# KiCad board 5wy19_converted.kicad_pcb (continued)
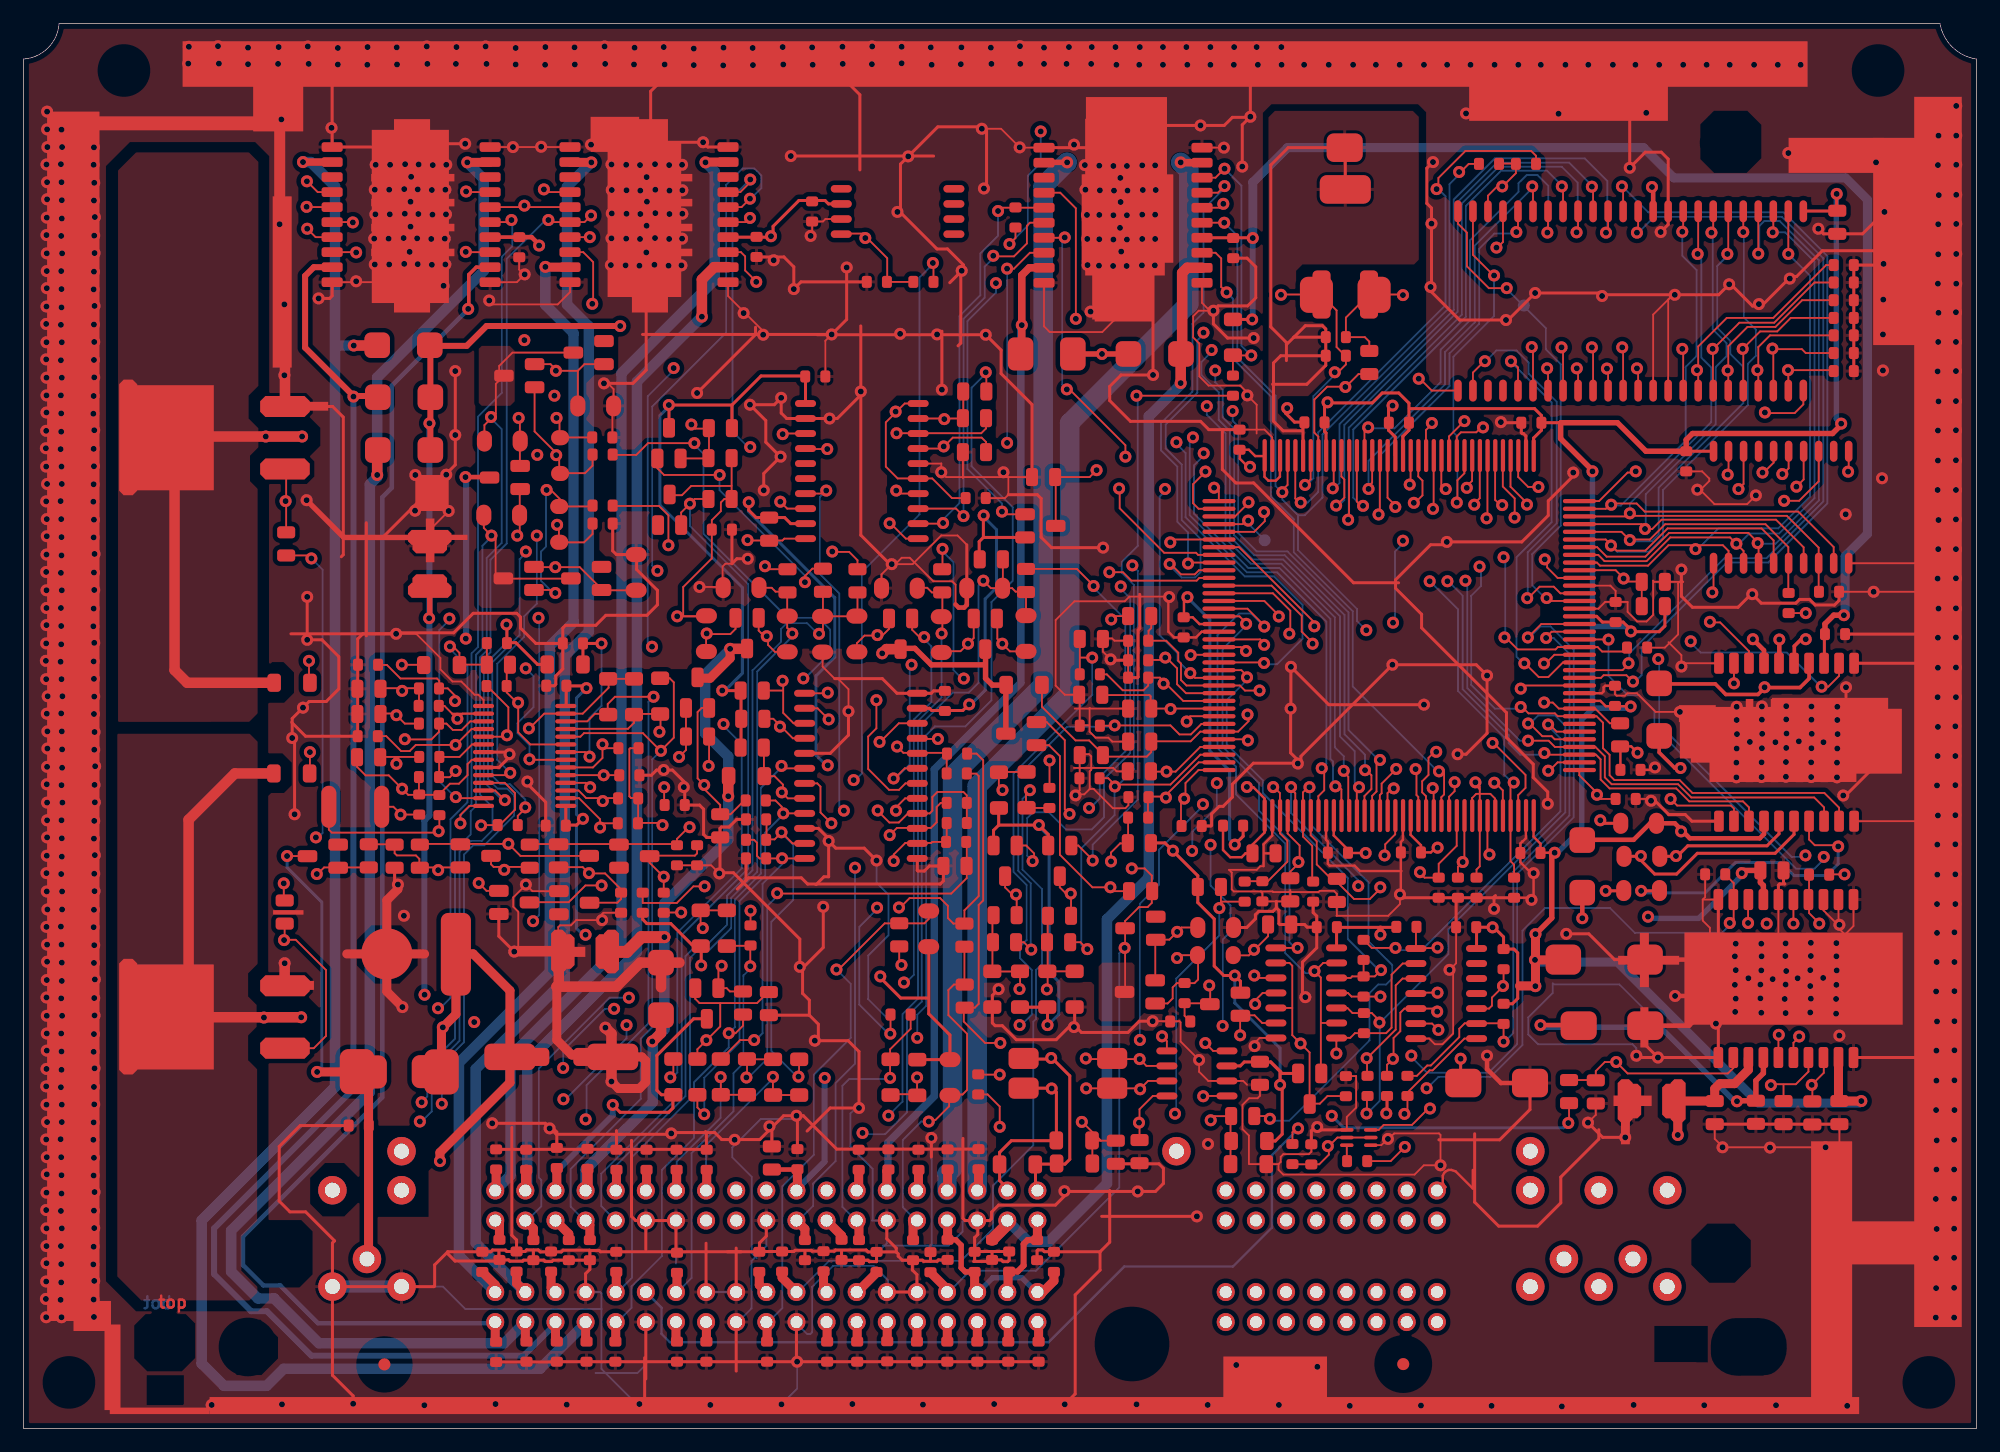
[diagram p0: board, top side]
## Routing (per net, layer and track width the routed paths; a pad name or vN(x,y) marks a point on that pad's centre or on a via; arc(x,y) is an arc through that point) (continued)
NewNet227: length 7.8
  TopLayer w0.152: v1(38.68,51) 38.71,51.03 40.25,51.03 41.55,52.33 41.55,53.73 40.68,54.6 U11.25
NewNet240: length 3.5
  TopLayer w0.152: R83.1 31.92,51.92 31.26,52.58 30.28,52.58 D9.2
  vias: v1(31.88,51.91)
NewNet253: length 97.6
  TopLayer w0.152: Q12.1 75.13,67.55 75.76,66.93 v1(76.15,66.93)
  TopLayer w0.254: 135.36,45.47 v1(133.78,45.47)
  MidLayer2 w0.254: 74.27,37.64 75.11,37.64 76.3,38.84 96.24,38.84 96.42,38.66 98.78,38.66 103.1,42.98 118.29,42.98 121.16,45.85 133.4,45.85 v1(133.78,45.47)
  BottomLayer w0.152: v1(74.44,37.71) 74.62,37.71 75.28,38.37 75.28,59.96 76.76,61.44 76.76,66.15 76.15,66.76 v1(76.15,66.93)
NewNet255: length 22.4
  TopLayer w0.152: v1(103.81,90.75) 102.13,90.75 ; v1(101.55,106.55) 100.79,105.79 99.64,105.79 ; R7.1 C10.1
  BottomLayer w0.152: v1(103.81,90.75) 103.8,90.75 102.97,91.58 102.97,105.13 v1(101.55,106.55)
NewNet265: length 4.6
  TopLayer w0.152: Q11.1 82.34,68.46 82.34,66.79 83.4,65.73 R45.1
  vias: v1(82.75,66.37)
NewNet266: length 4.9
  TopLayer w0.152: Q11.2 80.34,66.85 79.22,65.74 77.7,65.74 R50.2
  vias: v1(79.86,66.37)
NewNet267: length 4.8
  TopLayer w0.152: R47.2 70.46,66.41 71.11,67.06 72.61,67.06 73.18,67.63 Q12.2
  vias: v1(72.2,67.1)
NewNet268: length 4.6
  TopLayer w0.152: R48.2 63.53,65.68 62.95,66.27 62.95,66.9 62.6,67.25 62.39,67.25 62.15,67.48 Q10.1
  vias: v1(62.84,67.01)
NewNet269: length 5.1
  TopLayer w0.152: 57.81,67.19 59.76,67.19 60.2,67.62 Q10.2 ; 57.81,67.19 57.71,67.09 57.71,65.74 R46.2 ; 57.81,67.19 v1(57.76,67.23)
NewNet270: length 4.4
  TopLayer w0.152: Q13.1 56.01,57.38 v1(55.42,56.79)
NewNet271: length 13.2
  TopLayer w0.152: C45.1 60.94,53.11 59.77,51.94 C47.2 58.9,52.73 57.54,54.09 57.54,54.43 56.99,54.98 56.99,60.59 57.33,60.93 Q13.2
  vias: v1(57.55,54.42)
NewNet273: length 20.7
  TopLayer w0.152: v1(58.85,80.65) 54.16,80.65 53.59,81.21 Q4.1 ; R32.1 66.69,72.72 66.07,72.09 v1(66.07,71.58)
  BottomLayer w0.152: v1(58.85,80.65) 58.85,79.36 66.07,72.14 v1(66.07,71.58)
NewNet297: length 3.7
  TopLayer w0.152: R74.2 30.18,56.79 R75.1
  TopLayer w0.508: 31.52,56.62 v1(31.52,56.21)
NewNet298: length 4.8
  TopLayer w0.152: C29.2 30.22,62.6 33.41,62.6 33.43,62.58 33.43,61.14 R66.1
  vias: v1(32,62.38)
NewNet300: length 9.7
  TopLayer w0.152: v1(54.03,51.03) 53.84,51.22 52.05,51.22 51.96,51.3 51.96,53.12 51.76,53.32 51.36,53.32 51.22,53.46 51.22,57.46 51.29,57.53 C37.2
O2 S1: length 71.3
  TopLayer w0.152: C41.2 91.72,54.99 92.25,54.46 96.98,54.46 99.5,56.99 101.07,56.99 ; R119.2 89.36,41.12 v1(89.95,40.54) ; C10.2 v1(94.11,87.35)
  BottomLayer w0.152: v1(89.95,40.54) 89.81,40.54 89.44,40.91 89.44,49.06 92.25,51.87 92.25,54.27 ; v1(92.27,54.3) 92.25,54.27 ; 92.25,54.27 92.41,54.27 93.88,55.75 93.88,71.35 92.86,72.37 92.86,73.29 94.21,74.65 94.21,87.25 v1(94.11,87.35)
O2 S1 Diag: length 87.9
  TopLayer w0.152: Q15.1 89.18,49.3 90.4,48.09 v1(90.4,48.03) ; IC3.19 144.17,80.75 v1(144.09,80.67)
  MidLayer2 w0.254: v1(144.09,80.67) 143.76,80.34 143.76,79.43 137.9,73.56 134.26,73.56 133.15,72.44 125.02,72.44 122.58,70 118.01,70 117.12,70.89 108.33,70.89 107.7,71.53 100.66,71.53 100.15,72.03 94.49,72.03 93.57,72.95 93.57,73
  BottomLayer w0.152: v1(90.4,48.03) 90.4,49.37 94.22,53.19 94.22,72.53 v1(93.76,73)
O2 S2: length 37.4
  TopLayer w0.152: v1(85.2,40.49) 84.58,41.12 R120.2 ; C34.2 92.1,59.44 92.13,59.46 96.98,59.46 97.74,58.7 98.7,58.7 99.59,59.59 101.07,59.59
  BottomLayer w0.152: v1(92.26,59.46) 92.14,59.34 88.23,59.34 84.1,55.22 84.1,47.16 85.16,46.1 85.16,40.54 v1(85.2,40.49)
O2 S2 Diag: length 95.7
  TopLayer w0.152: IC3.18 145.44,79.88 v1(145.01,79.45) ; v1(85.32,47.98) 85.45,48.11 85.45,48.63 84.78,49.3 Q16.1
  MidLayer2 w0.254: v1(145.01,79.45) 144.7,79.45 138.23,72.97 134.54,72.97 133.45,71.88 125.3,71.88 122.83,69.42 117.73,69.42 116.81,70.33 108.03,70.33 107.42,70.94 100.3,70.94 99.8,71.45 92.84,71.45 92.61,71.22
  BottomLayer w0.152: v1(92.77,71.22) 92.77,71.02 93.57,70.22 93.57,57.12 91.35,54.91 91.35,51.69 90.33,50.67 88.14,50.67 86.69,52.12 85.36,52.12 84.86,51.61 84.86,48.44 v1(85.32,47.98)
OIL TEMP: length 19.3
  TopLayer w0.152: 101.07,57.64 99.49,57.64 97.41,55.55 95.35,55.55 C38.2 ; v1(86.75,56.5) 86.75,54.19
  MidLayer2 w0.254: 86.56,56.49 90.14,56.49 90.65,55.98 96.09,55.98 96.52,55.55
  vias: v1(96.65,55.55)
Oil Temp Sens Signal: length 64.3
  TopLayer w0.152: v1(85.09,53.98) 84.76,53.65 84.76,52.75 85.03,52.48 R82.1
  TopLayer w0.762: J1.b11 64.14,12.75 C116.2
  BottomLayer w0.152: J1.b11 65.48,11.53 68.11,14.16 79.26,14.16 81.98,16.88 81.98,20.55 85.37,23.94 85.37,34.4 85.61,34.63 85.61,38.78 86.11,39.29 86.11,45.62 84.46,47.27 84.46,53.25 85.09,53.87 v1(85.09,53.98)
OR OUT1: length 27.8
  TopLayer w0.152: v1(119.53,35.26) 119.28,35.51 116.76,35.51 116.41,35.16 116.41,33.59 115.84,33.02 115.84,31.31 115.29,30.76 R145.2 ; U2.3 104.27,38.1 v1(104.06,38.3)
  MidLayer2 w0.254: 103.96,38.25 103.96,38.23 106.76,35.43 119.23,35.43 119.43,35.23
  vias: v1(115.79,31.26)
OR OUT4: length 10.5
  TopLayer w0.152: v1(114.73,36.53) 112.29,36.53 111.98,36.83 U2.11 ; v1(119.56,36.86) 117.81,36.86
  MidLayer2 w0.254: 119.46,36.75 119.18,36.47 114.63,36.47
OR TOGGLE: length 54.5
  TopLayer w0.152: 101.07,69.34 103.49,69.34 104.83,68 104.83,67.82 ; U2.13 109.89,39.37 109.2,38.67 v1(109.15,38.67) 109.69,38.13 109.69,30.06 Q28.1 ; U2.9 109.72,34.29
  BottomLayer w0.152: v1(104.91,67.82) 103.81,68.92 102.77,68.92 100.95,67.1 100.95,57.54 102.52,55.98 102.52,53.63 106.68,49.47 106.68,40.21 108.38,38.51 108.99,38.51 v1(109.15,38.67)
P2.13: length 75
  TopLayer w0.152: 117.98,47.07 118.47,46.58 C66.1 119.66,47.75 121.18,49.27 121.18,51.83 ; R80.1 79.77,55.38 80.56,55.38 80.76,55.18 80.76,45.02 79.55,43.82 R116.1 78.62,42.7 78.16,43.16 78.16,44.2 77.5,44.86 74.92,44.86 74.12,44.06 v1(74.02,44.06)
  MidLayer2 w0.254: 73.91,44.04 74.47,43.48 93.57,43.48 94.89,44.81 98.35,44.81 99.85,46.3 111.56,46.3 112.32,47.07 117.98,47.07
  vias: v1(118.08,47.05)
P3.4: length 67.3
  TopLayer w0.152: IC9.22 74.01,59.64 72.43,58.06 v1(72.38,58.06) ; 124.1,57.96 124.31,57.96 127,55.27 127,54.18 126.38,53.56 126.38,51.83
  MidLayer2 w0.254: 124.1,57.96 124.1,57.99 123.14,58.95 107.11,58.95 104.7,56.54 102.51,56.54 101.88,57.18 91.16,57.18 89.64,58.7 86.33,58.7 84.81,57.18 76.56,57.18 74.98,58.75 72.87,58.75 72.19,58.06
  vias: v1(124.21,57.98)
P3.7: length 60.8
  TopLayer w0.152: 131.55,56.34 129.72,56.34 129.03,55.65 128.85,55.65 ; v1(77.31,58.32) 75.62,58.32 IC9.21
  MidLayer2 w0.254: 77.14,58.32 77.65,57.81 84.51,57.81 85.98,59.28 89.92,59.28 91.41,57.79 102.11,57.79 102.74,57.15 104.37,57.15 106.76,59.54 124.05,59.54 126.52,57.07 126.8,57.07 128.22,55.65 128.85,55.65
  vias: v1(128.92,55.63)
P5.12: length 104.9
  TopLayer w0.152: R142.2 61.19,31.22 61.17,31.2 61.17,29.78 61.11,29.72 ; v1(63.72,45.27) 63.75,45.24 78.44,45.24 79.75,46.55 79.75,49.56 R92.1 ; 107.04,54.23 107.53,53.73 107.53,51.83
  MidLayer2 w0.254: 112.78,45.85 112.62,45.69 100.1,45.69 98.6,44.2 95.17,44.2 93.9,42.93 65.91,42.93 63.58,45.26
  BottomLayer w0.152: v1(61.12,29.68) 61.3,29.68 62.87,31.26 62.87,44.18 63.72,45.02 v1(63.72,45.27) ; v1(107.18,54.24) 107.18,52.05 112.86,46.37 v1(112.86,45.87)
PCSV PWM: length 94.9
  TopLayer w0.889: IC6.12 98.4,98.17 97.97,97.74 97.97,90.78 97.84,90.65 v1(97.84,88.42)
  TopLayer w1.016: J1.a26 83.18,17.24 C103.1
  BottomLayer w0.889: v1(97.84,88.42) 97.84,88.3 95.14,85.6 95.14,46.61 91.61,43.08 91.61,20.7 86.7,15.79 84.96,15.79 J1.a26
PSU ENABLE: length 57.7
  TopLayer w0.152: 133.99,66.73 133.98,66.74 131.55,66.74 ; R149.1 151.26,29.11 152.22,30.07 152.22,31.34 IC7.8
  MidLayer2 w0.254: v1(152.22,48.34) 152.22,46.81 154.61,44.42 154.61,32.54 151.21,29.13 151.21,28.98
  BottomLayer w0.152: v1(134.01,66.72) 134.01,63.65 135.66,62.01 136.62,62.01 137.9,60.73 137.9,59.32 149.88,47.34 151.43,47.34 152.22,48.13 v1(152.22,48.34)
  vias: v1(151.2,29.05)
PSU WDOG: length 75
  TopLayer w0.152: 101.07,71.29 105.52,71.29 108.08,68.73 108.08,67.39 108.92,66.55 108.92,66.37 ; 145.82,44.73 v1(145.82,42.75)
  MidLayer2 w0.254: v1(150.67,48.46) 150.67,48.44 145.82,43.59 v1(145.82,42.75) ; v1(138.23,65.07) 138.18,65.07 137.19,66.07 135.28,66.07 134.77,65.56 130.94,65.56 128.98,63.6 125.91,63.6 123.67,65.84 109.45,65.84 108.92,66.37
  BottomLayer w0.152: v1(150.67,48.46) 150.55,48.34 149.51,48.34 138.3,59.54 138.3,65 v1(138.23,65.07)
  vias: v1(109,66.37)
PWR INPUT: length 191.1
  TopLayer w0.762: D13.1 35.33,33.81 36.55,35.03 36.55,39.78 36.91,40.14 38.01,40.14 41.12,37.03 41.12,29.25 35.2,23.33 v1(35.2,22.61) ; 139.88,27.69 v1(139.88,24.82) ; 139.52,27.69 C85.1 143,28.73 143.43,29.16 144.68,29.16 145.85,30.33 IC7.3
  MidLayer2 w0.762: v1(139.88,24.82) 139.88,24.71 147.09,17.5 147.09,13.94 136.35,3.2 65.4,3.2 63.12,5.49 38.76,5.49 35.2,9.04 v1(35.2,22.61)
  vias: v1(35.45,33.92)
RESET IN: length 173.1
  TopLayer w0.152: 107.53,82.29 107.53,78.65 107.87,78.31 ; v1(119.48,104.83) 119.63,104.98 119.63,105.77 121.92,108.05 127.48,108.05 127.89,107.65 R1.2 ; IC7.6 149.66,32.61 150.09,33.05 150.14,33.05
  MidLayer2 w0.254: 150.14,33.05 150.14,28.58 152.4,26.31 155.73,26.31 156.46,27.05 156.46,68.1 155.32,69.24 155.32,100.63 152.25,103.71 120.6,103.71 v1(119.48,104.83)
  BottomLayer w0.152: v1(119.48,104.83) 119.63,104.83 120.24,104.22 120.24,95.01 109.47,84.24 109.47,79.2 108.57,78.31 v1(107.99,78.31)
  vias: v1(150.14,33.15)
RESET OUT: length 272.5
  TopLayer w0.152: v1(82.73,77.55) 82.96,77.32 Q7.1 ; IC8.15 41.07,102.03 v1(41.25,102.21) ; IC4.18 145.9,65.74 143.46,68.17 142.65,68.17 v1(142.6,68.22) ; v1(121.39,106.27) 121.51,106.27 122.2,106.96 R2.1 ; 106.27,79.2 106.88,79.81 106.88,82.29 ; v1(36.93,51.17) 36.93,51.89 37.69,52.65 U11.28 ; IC10.15 61.06,102.03 v1(61.42,102.39) ; v1(101.52,101.98) IC6.15
  MidLayer2 w0.254: v1(142.6,68.22) 142.54,68.22 141.78,68.99 131.6,68.99 130.58,67.97 124.71,67.97 123.8,67.06 113.79,67.06 113.54,67.31 v1(113.54,67.51) ; v1(101.52,101.98) 101.52,99.59 98.27,96.34 69.27,96.34 63.22,102.39 61.24,102.39 61.24,101.57 56.67,97 48.23,97 44.07,101.17 42.32,101.17 41.28,102.21 v1(41.25,102.21)
  MidLayer2 w0.508: 82.12,96.8 82.12,96.49
  BottomLayer w0.152: v1(41.25,102.21) 41.32,102.14 41.32,99.98 40.44,99.11 40.44,87.59 38.43,85.58 38.43,66.11 37.88,65.56 37.88,52.78 36.93,51.84 v1(36.93,51.17) ; v1(113.54,67.51) 112.75,68.3 112.75,69.3 107.77,74.29 107.77,77.24 ; v1(82.22,96.87) 82.22,96.07 79.81,93.65 79.81,81.16 82.73,78.24 v1(82.73,77.55) ; v1(121.39,106.27) 121.39,106.06 120.57,105.24 120.57,94.81 109.83,84.07 109.83,78.73 108.34,77.24 107.77,77.24 ; 107.77,77.24 106.43,78.57 106.43,79.13 105.86,79.71 105.86,87.35 102.64,90.58 102.64,100.87 v1(101.52,101.98)
  vias: v1(106.43,79.19)
RxD: length 44.9
  TopLayer w0.152: 131.55,58.94 129.63,58.94 129.03,59.54 128.83,59.54 ; v1(119.63,33.71) 119.1,34.24 U1.6 ; v1(116,40.64) 114,40.64 R121.2
  MidLayer2 w0.254: 119.46,33.68 120.55,34.77 120.55,37.24 117.22,40.56 115.82,40.56
  BottomLayer w0.152: v1(116,40.64) 116.19,40.45 118.21,40.45 129.95,52.18 129.95,58.37 128.91,59.41 v1(128.91,59.53)
RxD Out 1: length 78.5
  TopLayer w0.152: v1(107.73,40.64) 105.9,40.64 U2.1 ; v1(73.56,54.97) 73.65,54.97 74.5,55.83 IC9.19 ; 103.28,68.15 103.28,68.22 102.82,68.69 101.07,68.69
  MidLayer2 w0.254: 103.28,68.15 102.64,67.51 93.52,67.51 92.79,66.78 91.19,66.78 90.3,67.67 79.5,67.67 76.43,64.59 74.96,64.59
  BottomLayer w0.152: v1(103.38,68.05) 103.38,67.92 101.39,65.93 101.39,57.66 104.47,54.58 104.47,52.24 107.04,49.67 107.04,41.12 107.51,40.64 v1(107.73,40.64) ; v1(75.08,64.59) 74.93,64.44 74.93,56.17 73.73,54.97 v1(73.56,54.97)
RxD Out 2: length 83.7
  TopLayer w0.152: v1(72.11,61.6) 72.11,59.21 71.41,58.52 71.41,55.78 73.18,54.01 74.02,54.01 74.57,54.56 IC9.18 ; U2.12 112.21,38.1 112.34,38.23 114.25,38.23 v1(114.78,38.76) ; R121.1 R127.2 ; 101.07,64.14 102.97,64.14 103.33,63.78 103.33,63.53
  MidLayer2 w0.254: 71.91,61.62 72.36,61.16 78.44,61.16 79.43,60.17 83.29,60.17 84.81,61.7 95.38,61.7 95.58,61.9 99.11,61.9 100.74,63.53 103.33,63.53
  BottomLayer w0.152: v1(114.78,38.76) 114.6,38.76 111.98,41.38 111.98,46.55 104.79,53.74 104.79,54.81 101.74,57.86 101.74,61.6 103.45,63.31 v1(103.45,63.52)
SCLK: length 275.8
  TopLayer w0.152: U11.26 39.87,53.95 v1(40.69,53.14) ; 126.49,61.04 126.7,61.04 127.25,60.48 129.49,60.48 129.73,60.24 133.01,60.24 133.55,59.69 133.55,57.53 134.11,56.97 134.11,55.25 134.52,54.84 140.03,54.84 141.12,53.75 152.27,53.75 153.52,52.5 IC4.9 ; IC6.6 85.09,101.98 84.84,101.73 84.84,100.23 83.74,99.14 82.04,99.14 v1(81.99,99.19) ; v1(27.84,102.01) 27.81,102.03 IC8.6 ; v1(79.48,77.17) 78.84,77.8 IC5.13 ; v1(47.98,102.59) 47.42,102.03 IC10.6 44.55,102.03 v1(44.37,102.21)
  MidLayer2 w0.254: 44.3,102.26 44.3,102.29 44.98,102.97 44.98,109.02 44.12,109.88 29.44,109.88 26.72,107.16 26.72,103.12 v1(27.84,102.01) ; v1(123.11,72.9) 122.07,73.94 109.52,73.94 108.94,74.52 102.21,74.52 98.35,78.38 83.72,78.38 83.44,78.66 80.77,78.66 79.25,77.14 ; 81.92,99.19 81.92,100.58 83.69,102.36 83.69,104.75 78.56,109.88 47.04,109.88 46.23,109.07 46.23,104.22 47.83,102.62
  BottomLayer w0.152: v1(81.99,99.19) 81.99,98.99 81.27,98.27 81.27,95.64 79.48,93.86 79.48,77.17 v1(79.48,77.17) ; v1(126.6,61.02) 126.46,60.88 124.42,60.88 122.4,62.89 122.4,70.42 123.24,71.26 123.24,72.77 v1(123.11,72.9) ; v1(44.37,102.21) 44.13,102.21 40.85,98.93 40.85,74.85 39.47,73.47 39.47,65.64 38.91,65.08 38.91,54.7 40.47,53.14 v1(40.69,53.14)
Sens AUX PWR: length 88.8
  TopLayer w0.254: v1(121.51,31.27) 121.51,29.44 C78.1
  TopLayer w0.457: v1(145.29,46.96) 145.52,47.19 C61.1 146.86,46.18 147.12,45.92 IC7.17
  TopLayer w0.508: 83.34,13.26 84.05,13.26 84.56,13.77 84.56,15.59 84.89,15.93 C107.1
  TopLayer w0.762: 83.18,11.53 83.25,11.6 83.25,13.17 83.34,13.26 ; J1.a25 85.73,15.95
  MidLayer2 w0.381: v1(137.36,43.28) 137.36,43.13 129.67,35.43 125.68,35.43 v1(121.51,31.27) 121.39,31.14 121.39,28.14 117.83,24.59 117.83,23.24 117.25,22.66 99.9,22.66 94.84,17.6 85.8,17.6
  BottomLayer w0.457: v1(145.29,46.96) 145.29,46.78 141.65,43.14 137.5,43.14 v1(137.36,43.28)
Sens AUX PWR 2: length 97.4
  TopLayer w0.381: 131.37,34.11 v1(128.27,34.11)
  TopLayer w0.457: IC7.4 147.12,30.05 146.48,29.41 C82.1 144.98,27.71 144.88,27.61 ; C120.2 79.63,13.23 79.28,13.58 79.28,15.5 78.82,15.95 78.13,15.95
  TopLayer w0.762: J1.b5 80.42,11.75 C120.2 ; 78.13,17.53 78.13,15.95 ; 85.73,11.53 86.18,11.53 87.12,12.47 87.12,13.23
  MidLayer2 w0.381: 85.75,11.51 85.75,11.66 90.88,16.79 95.28,16.79 100.28,21.79 117.6,21.79 118.64,22.83 118.64,24.13 128.27,33.76 v1(128.27,34.11)
  BottomLayer w0.457: v1(128.27,34.11) 128.45,33.93 138.41,33.93 144.67,27.67 v1(144.88,27.67) ; J1.b5 80.74,11.53 81.96,12.75 84.41,12.75 85.62,11.53 85.73,11.53
TPS: length 11.2
  TopLayer w0.152: 105.56,54.23 105.74,54.23 106.23,53.74 106.23,50.33 106.86,49.71 106.86,47.93 105.21,46.28 103.28,46.28 R100.1
  vias: v1(105.66,54.24)
TPS PWM DRV: length 73.1
  TopLayer w0.152: 98.6,65.41 98.63,65.44 101.07,65.44 ; v1(56.72,83.34) 52.8,83.34 51.8,82.34 49.84,82.34 R21.2
  MidLayer2 w0.254: 98.6,65.41 98.55,65.41 97.64,66.32 95.89,66.32 93.09,63.53 81.08,63.53 80.01,64.59 78.89,64.59 77.24,62.94 73.96,62.94 72.92,63.98 66.32,63.98 65.79,63.45
  BottomLayer w0.152: v1(56.72,83.34) 56.72,83.19 57.5,82.42 57.5,75.66 64.6,68.56 67.2,68.56 68.2,67.57 68.2,65.58 66.06,63.44 v1(65.93,63.44)
  vias: v1(98.69,65.41)
TPS PWM Out: length 121.9
  TopLayer w0.152: R18.1 38.96,84.86 39.93,85.83 39.93,88.35 Q2.3 40.21,89.45 40.21,89.87 41.34,91 Q1.3
  TopLayer w0.762: J1.b33 57.73,8.96 C136.1
  MidLayer2 w0.254: J1.b33 57.56,8.99 55.04,6.48 39.19,6.48 36.6,9.07 36.6,23.72 34.37,25.96 v1(33.5,25.96)
  BottomLayer w0.152: v1(39.52,85.55) 39.52,85.42 40.43,84.52 40.43,74.89 39.16,73.62 39.16,65.78 38.6,65.22 38.6,53.61 39.65,52.55 39.65,50.61 38.73,49.69 37.79,49.69 36.86,48.76 36.86,32.79 34.51,30.44 34.51,26.81 33.66,25.96 v1(33.5,25.96)
TPS Signal: length 67.1
  TopLayer w0.152: R101.2 101.24,44.14 v1(101.11,44.01) 101.11,44.32 101.35,44.55 R100.2
  TopLayer w0.762: J1.a32 69.16,16.31 C105.1
  MidLayer2 w0.254: 67.92,17.55 66.6,18.87 66.6,25.93 69.27,28.6 79.53,28.6 80.64,27.48 85.32,27.48 85.73,27.08 96.9,27.08 v1(97.36,26.62)
  BottomLayer w0.152: v1(97.36,26.62) 97.46,26.72 97.46,38.04 101.11,41.69 v1(101.11,44.01)
TxD: length 67.6
  TopLayer w0.152: 131.55,58.29 129.47,58.29 129.21,58.55 128.42,58.55 127.36,59.61 127.08,59.61 ; v1(104.14,35.89) 104.14,36.2 104.77,36.83 U2.4 ; U2.10 111.94,35.56 112.37,35.13 114,35.13 114.68,34.45 114.68,34.44 ; 113.59,26.69 113.59,28.07 R146.1
  MidLayer2 w0.254: 114.55,34.34 114.05,34.85 105.03,34.85 104.04,35.84
  BottomLayer w0.152: v1(127.22,59.62) 127.38,59.62 128.07,60.31 129.5,60.31 130.36,59.44 130.36,52.1 120.48,42.22 120.48,40.11 114.67,34.3 114.67,27.7 113.6,26.63 v1(113.56,26.63)
  vias: v1(114.65,34.32)
TxD Out: length 71.5
  TopLayer w0.152: R146.2 113.6,29.86 113.6,31.31 116.02,33.73 116.02,37.47 116.6,38.05 U1.3 ; IC9.17 74.54,53.29 73.76,52.52 v1(73.76,52.25)
  MidLayer2 w0.254: 113.49,31.29 113.49,32.72 111.99,34.21 101.52,34.21 101.27,33.96 ; 73.58,52.22 86.41,52.22 87.81,50.83 93.55,50.83 94.46,49.91 99.77,49.91 100.25,49.43
  BottomLayer w0.152: v1(100.37,49.36) 100.37,45.91 102.05,44.23 102.05,42.01 101.41,41.36 101.41,34.06 v1(101.39,34.04)
  vias: v1(113.57,31.31)
TxD W-Line: length 5.2
  TopLayer w0.152: Q27.1 102.93,34.94 104.09,34.94 104.73,34.29 U2.6 ; 102.87,35.14 v1(102.87,33.25)
V. SPEED: length 64.5
  TopLayer w0.152: 59.87,79.72 56.45,79.72 55.67,78.93 54.68,78.93 Q6.3 ; 59.87,82.18 R24.2 59.25,78.61 58.96,78.32 58.96,77.59 58.19,76.82 58.19,73.58 55.77,71.17 55.77,68.75 55.71,68.69 ; R44.2 92.25,68.71 v1(91.97,68.42) ; 57.69,68.69 v1(55.26,68.69) 57.69,68.69
  MidLayer2 w0.254: 91.87,68.4 91.39,68.88 55.37,68.88 55.19,68.71
Vehicle Speed Sens Signal: length 72.2
  TopLayer w0.152: R24.1 56.74,78.61 55.6,77.47 Q6.2
  BottomLayer w0.152: J1.a39 48.84,18.8 48.84,21.54 55.65,28.35 55.65,41.72 61.26,47.34 61.26,71.41 56.34,76.33 v1(56.34,78.21)
Wheel Speed Sens +: length 16.6
  TopLayer w0.152: 58.93,29.74 58.96,29.71 58.96,28.4 59.14,28.22 R136.1
  TopLayer w0.762: C99.1 55.22,20.17 J1.a18
  BottomLayer w0.152: v1(58.94,29.71) 58.94,26.27 55.22,22.56 55.22,20.18 J1.a18
Wheel Speed Sens -: length 17.3
  TopLayer w0.152: R141.1 63.68,28.19 63.36,28.51 v1(63.36,29.73)
  TopLayer w0.762: J1.a17 57.76,20.17 C98.1
  BottomLayer w0.152: J1.a17 57.71,23.95 63.36,29.6 v1(63.36,29.73)
WHSP IN+: length 26.2
  TopLayer w0.152: IC9.12 62.23,48.21 62.01,48.43 62.01,49.54 61.77,49.78 C52.1 ; R137.2 58.99,31.24 60.59,32.84 v1(61.77,32.84)
  BottomLayer w0.152: v1(64.13,48.22) 64.13,47.71 62.48,46.06 62.48,33.43 61.9,32.84 v1(61.77,32.84)
WHSP IN-: length 29.9
  TopLayer w0.152: C48.2 62.82,51.48 62.82,49.82 62.82,49.82 63.5,49.82 64.08,50.4 v1(64.08,50.42) 65.02,49.48 IC9.11 ; R141.2 65.57,31.21 65.57,29.81 v1(65.52,29.75)
  BottomLayer w0.152: v1(65.52,29.75) 65.4,29.75 63.22,31.93 63.22,42.84 65.07,44.7 65.07,49.36 64.08,50.35 v1(64.08,50.42)
XTAL1: length 24.7
  TopLayer w0.152: v1(106.32,95.89) 106.35,95.91 109.68,95.91 111.02,94.56 111.02,91.47 111.81,90.68 111.81,89.99 111.15,89.33 v1(110.87,89.33) ; v1(108.36,79.81) 108.83,80.28 108.83,82.29
  BottomLayer w0.152: v1(110.87,89.33) 110.87,89.12 109.06,87.3 109.06,80.36 108.5,79.81 v1(108.36,79.81)
XTAL2: length 10.4
  TopLayer w0.152: R10.1 112.88,89.18 111.81,88.11 110.24,88.11 109.14,87.02 109.14,84.23 109.48,83.89 109.48,82.29
  vias: v1(111.77,88.09)
Net-(C54-Pad1): length 8.4
  TopLayer w0.152: C54.1 56.95,48.63 56.76,48.44 52.98,48.44 Q19.3 52.93,47.84 54.13,46.65 R104.1
  vias: v1(54.13,46.66)
Net-(C74-Pad1): length 13.2
  TopLayer w0.152: Q26.2 56.79,36.33 57.15,35.97 62.02,35.97 62.95,36.91 C74.1 ; R138.2 56.97,32.06 58.9,34 58.9,35.98
  vias: v1(57.73,32.83)
Net-(C79-Pad1): length 74.8
  TopLayer w0.152: C79.1 80.75,29.92 v1(82.54,29.92) ; R14.1 81.41,89.28 v1(81.36,89.33)
  MidLayer2 w0.254: 82.42,29.92 81.58,29.92 78.51,32.99 75.46,32.99
  BottomLayer w0.152: v1(81.36,89.33) 81.36,89.22 80.16,88.02 80.16,81.39 83.64,77.91 83.64,71.69 81.84,69.9 81.84,61.58 79.64,59.38 77.06,59.38 76.31,58.63 76.31,35.74 75.56,34.99 v1(75.56,33.03)
Net-(C88-Pad2): length 6.4
  TopLayer w0.152: C88.2 91.1,24.33 ; 91.1,24.33 90.8,24.33 90.59,24.55 90.37,24.33 R156.1 ; 91.1,24.33 89.51,25.92 v1(89.48,25.92)
Net-(C143-Pad2): length 10.2
  TopLayer w0.152: R10.2 113.79,91.92 113.41,92.3 C143.2 111.81,93.95 Y1.2 116.59,95.91 v1(116.64,95.86)
Net-(D5-A): length 12.3
  TopLayer w0.152: R21.1 48.11,81.43 47.47,80.8 45.19,80.8 45.29,80.9 45.29,82.25 43.21,84.33 Q2.1
  vias: v1(45.03,82.32)
Net-(D5-K): length 4.5
  TopLayer w0.152: R19.1 45.31,83.82 45.31,85.22 v1(45.06,85.47)
Net-(D7-A): length 15.9
  TopLayer w0.152: Q9.1 44.7,70.92 v1(44.96,70.66) ; R25.1 48.03,77.98 45.97,77.98 44.58,79.38 v1(44.22,79.38)
  BottomLayer w0.152: v1(44.22,79.38) 44.17,79.33 44.17,74.59 43.75,74.17 43.75,71.69 44.78,70.66 v1(44.96,70.66)
Net-(D7-K): length 5.5
  TopLayer w0.152: v1(45.11,76.43) 45.26,76.28 45.26,74.98 45.3,74.94 47.39,74.94 48.11,75.66 R28.1
Net-(D8-K): length 14.9
  TopLayer w0.305: IC4.14 150.98,63.42 150.22,62.66 147.24,62.66 146.66,62.08 143.94,62.08 143.05,62.97 138.35,62.97 D8.1
  vias: v1(147.22,62.69)
Net-(D11-A): length 8.9
  TopLayer w0.152: Q25.1 96.74,35.94 97.16,36.37 97.16,37.3 97.52,37.66 99.01,37.66 99.31,37.97 99.31,39.96 99.25,40.02 97.77,40.02 v1(97.53,39.79)
Net-(D11-K): length 4.6
  TopLayer w0.152: D11.1 102.31,40.01 103.61,40.01 105.23,41.63 R113.1
  vias: v1(104.04,40.48)
Net-(IC1-P3.15/CLKOUT/FOUT): length 7.2
  TopLayer w0.152: 128.52,61.39 129.31,61.39 129.82,60.89 132.89,60.89 134.14,59.64 R68.2
  vias: v1(128.57,61.4)
Net-(IC1-P5.9/AN9): length 86.5
  TopLayer w0.152: C7.2 76.94,98.4 76.76,98.58 ; 101.07,55.69 99.35,55.69 98.25,54.58 98.25,53.47 97.87,53.09 97.87,51 C51.2
  MidLayer2 w0.254: 70.05,54.84 70.99,53.9 73.94,53.9 75.44,55.4 85.22,55.4 85.85,54.76 87.43,54.76 87.93,55.27 89.61,55.27 91.64,53.24 94.69,53.24 95.66,52.27 97.15,52.27 98.04,53.16 98.04,53.26
  BottomLayer w0.152: v1(76.89,98.58) 76.89,98.48 75.75,97.35 75.75,77.3 70.89,72.44 70.89,55.4 70.32,54.84 v1(70.19,54.84)
  vias: v1(98.14,53.27)
Net-(IC1-P7.6/CC30IO): length 14.4
  TopLayer w0.152: R44.1 95.35,67.69 95.12,67.46 95.12,66.65 C22.1 96.62,66.62 97.64,65.61 97.64,64.92 97.87,64.69 97.87,63.3 98.33,62.84 102.85,62.84 103.28,62.41 104.37,62.41
  vias: v1(104.51,62.41)
Net-(IC1-Varef): length 12
  TopLayer w0.203: 103.33,54.23 103.99,54.23 104.93,53.28 104.93,50.4 103.91,49.38 C55.1 103.33,48.64 103,48.31 102.03,48.31 101.42,48.92 R90.2
  vias: v1(103.44,54.25)
Net-(IC1-~{EA}): length 7.8
  TopLayer w0.152: 131.55,72.59 134.63,72.59 135.59,71.63 136.8,71.63 ; R37.1 136.8,71.63 ; R37.1 136.8,71.63 ; R37.1 R43.1
  vias: v1(135.3,71.89)
Net-(IC2-~{RESET}): length 6.7
  TopLayer w0.152: IC2.44 123.83,104.27 124.61,105.05 125.07,105.05 126.19,106.17 R1.1 126.16,106.98 124.79,106.98 R2.2
  vias: v1(125.03,105.05)
Net-(IC3-OE): length 75.2
  TopLayer w0.152: v1(142.8,70.71) 142.9,70.82 IC3.1 ; v1(90.73,81.05) 90.14,80.47 R23.1 ; 87.27,80.49 Q7.3
  MidLayer2 w0.254: 90.53,81.08 90.55,81.1 96.37,81.1 102.34,75.13 109.22,75.13 109.86,74.5 116.05,74.5 v1(116.64,75.08) ; v1(142.8,70.71) 141.68,69.6 131.32,69.6 130.25,68.53 124.51,68.53 123.65,67.67 116.28,67.67 v1(115.8,68.15)
  BottomLayer w0.152: v1(115.8,68.15) 115.97,68.32 115.97,74.17 116.64,74.84 v1(116.64,75.08)
Net-(IC5-CH2FB): length 7.1
  TopLayer w0.152: IC5.17 77.62,82.88 v1(77.8,83.06) 77.82,83.06 78.57,83.8 81.01,83.8 81.38,83.43 R20.1
Net-(IC5-XOUT): length 5
  TopLayer w0.152: IC5.10 64.32,75.26 64.16,75.1 61.24,75.1 v1(61.21,75.13)
Net-(IC7-DW): length 53
  TopLayer w0.152: 143.89,46.86 143.89,46.84 144.6,46.13 144.6,43.08 v1(144.27,42.75) ; R157.1 115.6,22.61 v1(116.8,23.8)
  MidLayer2 w0.254: 118.52,28.91 118.52,28.8 117.75,28.04 117.75,26.21 116.71,25.17 116.71,23.8
  BottomLayer w0.152: v1(144.27,42.75) 144.27,42.57 143.61,41.91 136.25,41.91 134.14,44.02 128.66,44.02 126.74,42.1 126.74,32.43 124.05,29.73 119.64,29.73 118.68,28.77 v1(118.64,28.77)
Net-(IC7-E1): length 16.6
  TopLayer w0.152: 133.02,29.46 R148.1 ; IC7.2 144.58,30.48 144.12,30.02 135.64,30.02 v1(134.67,30.99) 133.71,30.99 132.94,30.23 C80.1
Net-(IC7-EN): length 9.9
  TopLayer w0.152: R99.2 150.98,43.59 151.84,42.72 v1(151.84,42.7)
  MidLayer2 w0.254: v1(147.4,42.7) 147.4,42.72 148.56,43.89 150.6,43.89 151.79,42.7 v1(151.84,42.7)
Net-(IC9-GPIO4?): length 6.2
  TopLayer w0.152: R80.2 78.05,57.2 77.99,57.14 74.39,57.14 v1(73.86,57.67)
Net-(IC9-UNKN1): length 6.5
  TopLayer w0.152: 64.21,62.41 R63.2 ; v1(64.18,63.24) 64.23,63.19 64.23,60.52 65.11,59.64 IC9.3
Net-(IC9-UNKN2): length 4.1
  TopLayer w0.152: R67.2 63.39,60.02 65.04,58.37 IC9.4
  vias: v1(63.96,59.36)
Net-(IC9-UNKN3): length 6.7
  TopLayer w0.152: R85.2 77.55,52.91 77.2,52.56 77.2,51.27 76.73,50.79 73.85,50.79 v1(73.23,50.18)
Net-(IC9-UNKN4): length 12.2
  TopLayer w0.152: R88.1 79.76,53.54 79.47,53.83 77.27,53.83 76.84,53.41 76.84,52.24 76.62,52.02 74.78,52.02 74.01,51.25 73.2,51.25 72.22,52.23 v1(72.22,52.26)
Net-(IC9-WHSPO?): length 7
  TopLayer w0.152: R88.2 78.05,49.66 78,49.61 76.84,49.61 76.75,49.52 74.55,49.52 73.57,48.54 v1(73.57,47.99)
Net-(IC11-CANH): length 7.1
  TopLayer w0.152: v1(89.85,28.76) 94.45,28.76 95.08,29.39 IC11.7
  vias: v1(94.41,28.68)
Net-(IC11-CANL): length 7.1
  TopLayer w0.152: v1(89.82,31.29) 89.87,31.23 v1(94.37,31.23) 94.95,30.66 IC11.6
Net-(IC11-Rs): length 5.4
  TopLayer w0.152: IC11.8 95.49,28.12 94.36,26.99 R152.2
  vias: v1(94.32,25.86)
Net-(Q1-A): length 9.3
  TopLayer w0.152: 46.86,89.46 47.42,90.02 Q1.1 ; 46.86,89.46 R15.1 ; 46.86,89.46 45.11,89.46 44.55,90.02 Q2.2
  vias: v1(45.01,89.46)
Net-(Q3-G): length 5.5
  TopLayer w0.152: R29.1 22.2,81.21 22.14,81.15
  vias: v1(22.15,78.44)
Net-(Q5-Pad1): length 4
  TopLayer w0.152: v1(41.74,75.52) 41.95,75.73 41.95,79.42 Q5.1
Net-(Q5-Pad2): length 4.1
  TopLayer w0.152: Q5.2 41.96,81.43 41.96,85.37 v1(41.86,85.47)
Net-(Q8-A): length 9.5
  TopLayer w0.152: Q9.2 43.18,72.85 47.02,72.85 48.98,70.89 R30.1
  vias: v1(44.96,72.85)
Net-(Q14-Pad1): length 17.8
  TopLayer w0.152: Q14.1 86.71,57.79 87.63,56.86 87.63,48.52 90.38,45.77 91.9,45.77 92.23,45.44 R103.1
  vias: v1(91.9,45.77)
Net-(Q14-Pad2): length 57.4
  TopLayer w0.152: v1(88.44,51.97) 88.04,52.37 88.04,58.21 86.51,59.74 Q14.2
  TopLayer w0.254: v1(133.32,51.44) 133.58,51.18 R87.1
  MidLayer2 w0.254: 88.27,52.02 88.85,51.44 93.9,51.44 94.87,50.47 130.02,50.47 130.99,51.44 v1(133.32,51.44)
Net-(Q15-C): length 4
  TopLayer w0.152: R112.2 88.57,45.21 88.47,45.31 88.07,45.31 87.62,45.77 Q15.3
  vias: v1(88.54,45.24)
Net-(Q16-C): length 3.7
  TopLayer w0.152: R111.2 83.97,44.77 82.99,45.75 Q16.3
  vias: v1(83.91,45.16)
Net-(Q17-B): length 14.5
  TopLayer w0.152: v1(56.31,50.85) 56.23,50.85 55.25,49.86 R96.1 55.14,49.43 42.85,49.43 R94.1
Net-(Q17-C): length 14.8
  TopLayer w0.152: Q17.3 42.01,48.43 41,49.44 33.56,49.44 R95.1
  vias: v1(40.99,49.45)
Net-(Q17-E): length 21.8
  TopLayer w0.152: Q22.3 50.2,44.46 50.52,44.78 50.52,45.59 49.17,46.94 47.8,46.94 47.27,47.47 45.26,47.47 Q17.2 ; Q21.1 39.14,45.47 v1(38.48,46.13)
  MidLayer2 w0.254: v1(38.48,46.13) 41.1,46.13 42.72,47.75 46.89,47.75 47.68,46.96
  vias: v1(47.8,46.96)
Net-(Q18-C): length 4.1
  TopLayer w0.152: Q18.3 39.52,47.71 39.74,47.49 42.73,47.49 R94.2
  vias: v1(40.64,47.24)
Net-(Q18-E): length 9.7
  TopLayer w0.152: 35.28,47.45 33.53,47.45 33.46,47.51 33.46,48.17 33.17,48.46 31.56,48.46 31.37,48.65 C53.1 ; 35.28,47.45 Q18.2 ; 35.28,47.45 v1(35.05,47.22) ; 31.34,49.4 R93.1
Net-(Q23-A): length 7.4
  TopLayer w0.152: R114.1 97.91,42.37 96.89,41.34 95.75,41.34 95.69,41.29 95.69,37.91 Q25.2
  vias: v1(97.54,42)
Net-(Q24-G): length 15.4
  TopLayer w0.152: Q24.1 24.53,32.16 25.57,33.19 25.57,38.77 23.01,41.33 22.05,41.33 22.07,41.35 22.07,42.69 R107.2
  vias: v1(22.02,41.3)
Net-(Q26-Pad1): length 4.2
  TopLayer w0.152: R130.1 59.72,36.96 59.44,37.24 Q26.1 58.75,38.86 v1(59.02,39.13)
Net-(Q27-C): length 5.6
  TopLayer w0.152: R134.2 98.17,34.9 R128.1 98.18,35.95 100.44,35.95 100.34,36.06 100.34,37.38 v1(100.25,37.47)
Net-(Q28-C): length 18.5
  TopLayer w0.152: U2.2 107.04,39.37 107.28,39.13 107.28,33.26 108.74,31.8 108.74,27.44 108.77,27.47 109.61,27.47 110.26,28.11 111.79,28.11 R147.1 ; 107.28,35.56 U2.5
  vias: v1(107.98,32.56)
Net-(R17-Pad1): length 6.5
  TopLayer w0.152: Q4.2 57.89,82.04 57.95,82.11 57.95,84.59 57.93,84.56 56.81,84.56 v1(56.46,84.91)
Net-(R77-Pad2): length 4
  TopLayer w0.152: R78.2 82.46,55.49 82.46,54.3 v1(82.77,53.99) ; R77.2 82.45,55.52
Net-(R109-Pad1): length 4.2
  TopLayer w0.152: R109.1 56.95,43.82 57.24,43.52 57.24,42.5 v1(57.43,42.32)
Net-(R140-Pad1): length 3.7
  TopLayer w0.152: 75.55,29.74 75.55,28.42 75.38,28.26 73.37,28.26 R140.1
  vias: v1(75.55,29.68)
Net-(U1-1A): length 3.6
  TopLayer w0.152: v1(119.56,40.67) 119.51,40.62 117.84,40.62 117.74,40.73 117.74,42.38 R118.1
Net-(U1-1B): length 13.1
  TopLayer w0.152: U1.2 116.61,39.32 115.67,38.38 115.67,33.89 115.21,33.43 112.57,33.43 112.18,33.03 111.29,33.03 111.01,32.75 v1(111.01,31.71)
Net-(U1-3B): length 4.9
  TopLayer w0.152: U1.10 123.92,35.51 124.16,35.75 124.16,36.44 125.15,37.43 R122.1
  vias: v1(125.1,37.41)
unconnected-(IC1-ALE-Pad98): length 3.9
  TopLayer w0.152: v1(128.63,73.51) 128.83,73.3 128.83,72.82 129.72,71.94 131.55,71.94
unconnected-(IC1-N/C-Pad84): length 5.1
  TopLayer w0.152: 131.55,62.84 126.77,62.84 126.52,62.59
  vias: v1(126.6,62.57)
unconnected-(IC1-P1L.0/A0/AN16-Pad118): length 31.2
  TopLayer w0.152: 122.55,102.95 122.55,99.26 124.13,97.69 124.13,97.46 ; 121.06,78.31 121.24,78.49 121.24,80.19 121.83,80.79 121.83,82.29
  BottomLayer w0.152: v1(124.34,97.52) 124.34,94.09 120.9,90.65 120.9,84.25 121.24,83.91 121.24,78.36 v1(121.19,78.31)
unconnected-(IC1-P2.8/CC8IO/EX0IN-Pad57): length 4.1
  TopLayer w0.152: 117.6,55.78 117.78,55.6 117.78,53.57 117.93,53.42 117.93,51.83
  vias: v1(117.71,55.77)
unconnected-(IC1-P2.9/CC9IO/EX1IN-Pad58): length 6.1
  TopLayer w0.152: 119.41,57.33 118.8,56.72 118.8,55.27 118.26,54.74 118.26,53.8 118.58,53.48 118.58,51.83
  vias: v1(119.45,57.23)
unconnected-(IC1-P2.10/CC10IO/EX2IN-Pad59): length 2.7
  TopLayer w0.152: 119.23,53.95 119.02,54.15 119.23,53.95 ; 119.23,53.95 119.23,51.83
  vias: v1(119.16,54.16)
unconnected-(IC1-P3.1/T6OUT-Pad66): length 3.4
  TopLayer w0.152: v1(123.95,48.54) 123.78,48.71 123.78,51.83
unconnected-(IC1-P4.3/A19-Pad88): length 3.3
  TopLayer w0.152: 131.55,65.44 129.44,65.44 128.7,64.69 128.52,64.69
  vias: v1(128.56,64.7)
unconnected-(IC1-P6.2/~{CS2}-Pad3): length 25.6
  TopLayer w0.152: 101.07,77.14 102.43,77.14 103.38,78.08 103.38,78.31 ; 117.88,88.8 118.06,88.8 119.08,87.78 121.29,87.78
  MidLayer2 w0.254: 117.88,88.8 115.62,88.8 107.77,80.95 106.45,80.95 103.81,78.31 103.38,78.31
  vias: v1(103.58,78.33) v1(117.97,88.79)
unconnected-(IC1-P6.4/~{CS4}-Pad5): length 5.1
  TopLayer w0.152: 104.75,77.47 104.95,77.27 104.95,76.73 104.05,75.84 101.07,75.84
  vias: v1(104.89,77.5)
unconnected-(IC1-P6.5/~{HOLD}-Pad6): length 4.3
  TopLayer w0.152: 96.88,74.9 97.16,75.19 101.07,75.19
  vias: v1(96.96,74.94)
unconnected-(IC1-P8.2/CC18IO-Pad11): length 9.8
  TopLayer w0.152: 101.07,71.94 99.42,71.94 99.19,71.7 93.68,71.7 92.96,72.42 91.67,72.42
  vias: v1(91.81,72.41)
unconnected-(IC1-P8.4/CC20IO-Pad13): length 8.7
  TopLayer w0.152: 101.07,70.64 105.64,70.64 107.11,69.16 107.11,67.44 106.91,67.23
  vias: v1(107.03,67.22)
unconnected-(IC1-~{WR}/~{WRL}-Pad96): length 34.4
  TopLayer w0.152: 131.55,70.64 129.95,70.64 129.39,71.2 128.19,71.2 127.25,70.26 127.05,70.26 ; 122.55,87.78 122.55,89.31 123.47,90.22
  BottomLayer w0.152: v1(127.15,70.22) 127.19,70.27 127.19,74.11 129.64,76.56 129.64,86.84 127.26,89.22 127.26,90.15 126.24,91.18 124.54,91.18 123.63,90.27 v1(123.57,90.27)
unconnected-(IC5-~{TEST}-Pad14): length 2
  TopLayer w0.152: IC5.14 74.04,79.07 v1(73.79,79.32)
unconnected-(IC7-REF2-Pad5): length 1.9
  TopLayer w0.152: 148.39,33.25 IC7.5
  vias: v1(148.42,33.29)
unconnected-(IC7-REF3-Pad15): length 2
  TopLayer w0.152: IC7.15 v1(149.66,42.7)
unconnected-(IC11-Vref-Pad5): length 1.4
  TopLayer w0.152: v1(96.26,33.16) 96.67,32.75 IC11.5
unconnected-(J1-Pin_a12-Pada12): length 46.1
  TopLayer w0.152: 102.06,22.35 102.06,26.48 101.99,26.41 100.73,26.41 v1(100.38,26.06)
  TopLayer w0.762: 70.61,21.87 70.61,20.29 J1.a12
  MidLayer2 w0.254: v1(100.38,26.06) 99.87,25.55 96.88,25.55 96.11,24.79 86.94,24.79 84.86,26.87 80.42,26.87 79.3,27.99 72.85,27.99 71.93,27.08 71.93,22.89 70.44,21.4 J1.a12
unconnected-(J1-Pin_a20-Pada20): length 67.8
  TopLayer w0.152: 67.56,68.68 67.57,68.69 70.15,68.69 70.51,69.04 70.51,70.71 ; 67.59,70.76 67.59,67.54 v1(67.26,67.21)
  TopLayer w0.762: 50.13,21.87 50.13,20.18 J1.a20
  BottomLayer w0.152: v1(67.26,67.21) 67.15,67.21 66.25,68.11 64.54,68.11 64.05,67.62 64.05,66.53 61.63,64.11 61.63,47.2 59.48,45.05 59.48,42.59 57.78,40.9 56.93,40.9 55.96,39.93 55.96,28.1 50.07,22.21 J1.a20
unconnected-(J1-Pin_a40-Pada40): length 61.6
  TopLayer w0.152: 53.86,57.31 53.87,57.31 54.98,58.42 54.98,63.1 54.63,63.45 53.82,63.45 ; 53.86,57.31 v1(53.89,57.31) ; 53.86,57.31 52.36,58.8 47.38,58.8 47.08,58.5 45.85,58.5
  TopLayer w0.762: J1.a40 47.88,17.22 47.88,15.93
  BottomLayer w0.152: v1(53.89,57.31) 53.15,56.57 53.15,33.92 52.18,32.96 52.18,27.87 46.26,21.94 46.26,18.76 47.44,17.58 J1.a40
unconnected-(J1-Pin_a41-Pada41): length 73.3
  TopLayer w0.254: 44.27,64.62 43.46,64.62 41.62,66.46 40.9,66.46 40.87,66.42 40.87,67.95 v1(40.83,67.99)
  TopLayer w0.762: J1.a41 46.1,16.45 46.1,15.93
  MidLayer2 w0.381: 45,17.55 44.93,17.55 43.03,15.65 39.52,15.65 38.13,17.04 38.13,24.13 35.36,26.9 v1(35.36,27.46)
  BottomLayer w0.152: v1(35.36,27.46) 35.37,27.47 35.37,30.8 37.23,32.66 37.23,48.53 38.02,49.32 38.96,49.32 41.47,51.84 41.47,53.53 40.89,54.12 40.08,54.12 39.27,54.92 39.27,64.9 40.83,66.46 v1(40.83,67.99)
unconnected-(J1-Pin_b22-Padb22): length 103.3
  TopLayer w0.152: 150.98,51.36 150.98,49.81 151.46,49.33 153.34,49.33 v1(153.44,49.23)
  TopLayer w0.254: 138.3,45.47 v1(136.78,45.47)
  TopLayer w0.762: J1.b22 85.83,8.89 85.83,7.34
  MidLayer2 w0.254: 85.75,8.97 85.75,9.8 91.9,15.95 120.17,15.95 121.16,16.94 121.16,25.65 138.56,43.05 138.56,43.79 136.88,45.47 v1(136.78,45.47)
  BottomLayer w0.254: v1(136.78,45.47) 136.95,45.3 142.2,45.3 144.76,47.86 148.61,47.86 149.71,46.76 152.46,46.76 153.44,47.74 v1(153.44,49.23)

## Copper pours and planes (outline as drawn; the poured copper is in the pictures)
GND on TopLayer: -0.89,120.95 167.38,120.95 167.38,-1.37 167.28,-1.47 -0.89,-1.47
GND on BottomLayer: -2.41,119.76 168.65,119.76 168.65,-4.73 -2.41,-4.73
GND on MidLayer1: -2.24,119.76 168.52,119.76 168.52,-2.32 168.45,-2.53 -2.24,-2.53
GND on MidLayer2: 167.6,-0.33 -2.92,-0.33 -2.92,120.95 167.8,120.95 167.8,-1.6 167.6,-1.6
CMP Sens GND on TopLayer: 157.25,35.88 144.6,35.88 143.11,37.37 143.11,39.84 145.18,41.91 155,41.91 157.37,39.54 157.37,36.03 157.45,36.08 157.5,35.99 157.5,35.88 157.37,35.88 157.37,35.86 157.27,35.86
CMP Sens GND on TopLayer: 55.69,93.56 51.58,93.56 49,96.14 49,111 50.78,112.77 55.35,112.77 55.96,112.16 55.96,107.36 57.93,105.39 57.93,98.92 55.89,96.88 55.89,93.46 55.69,93.46
CMP Sens GND on TopLayer: 28.93,94.86 28.93,111.04 30.8,112.9 34.31,112.9 36.25,110.96 36.25,106.87 36.76,106.37 36.76,94.68 35.71,93.64 35.69,93.67 35.69,93.63 30.16,93.63
CMP Sens GND on TopLayer: 155.4,54.28 142.92,54.28 140.07,57.14 140.07,60.01 141.58,61.53 147.32,61.53 147.87,62.08 154.7,62.08 156.35,60.43 156.35,54.93 155.5,54.08
CMP Sens GND on TopLayer: 97.57,99.37 93.5,99.37 89.13,103.75 89.13,106.78 91.12,108.77 94.57,108.77 97.78,105.56 97.78,99.3 97.64,99.26
Fuel Consumption Out on TopLayer: 38.47,69.67 38.47,74.13 38.73,74.39 41.14,74.39 41.5,74.02 41.5,69.71 41.2,69.4 38.74,69.4
Ign. Coil 1&4 on TopLayer: 7.98,106.41 9.5,107.93 19.05,107.93 19.85,107.13 19.85,88.18 19.02,87.36 19.02,85.42 19.85,84.6 19.85,82.99 19.14,82.28 19.14,80.12 19.78,79.47 19.78,60.48 19.07,59.77 15.91,59.77 15.91,59.76 7.98,59.76
Ign. Coil 2&3 on TopLayer: 14.76,10.82 9.95,10.82 7.92,12.85 7.92,58.76 19.11,58.76 19.78,58.08 19.78,39.29 18.98,38.48 18.98,36.54 19.7,35.82 19.7,33.95 18.98,33.23 18.98,31.14 19.74,30.38 19.74,17.55 18.41,16.22 18.41,13.34 19.76,11.98 19.76,11.5 19.08,10.82 14.77,10.82
IMMO Data W-Line on TopLayer: 92.91,34.42 91.13,34.42 90.9,34.65 90.9,39.08 91.23,39.4 93.73,39.4 93.94,39.19 93.94,34.73 93.63,34.42 92.91,34.42
TPS PWM Out on TopLayer: 38.48,86.74 38.48,91.32 38.73,91.57 41.1,91.57 41.52,91.15 41.52,86.87 41.15,86.49 38.73,86.49

## Text on the board
BottomLayer: bot
BottomSolder: 1-2 | 0204B | 0443 | 4421 | J
TopLayer: top | 2
MidLayer1: i1
MidLayer2: i2
